# Altium PCB EASY-EAI-Nano-TB V1.01.PCBDOC (part 6 of 7)
Units mm, origin at the board's own origin, x right, y up, seen from the top; angles counter-clockwise.
Board outline 120 x 90 mm, 4 copper layers (Top Layer, GND, VCC, Bottom Layer); 667 components, 452 nets, 2251 pads, 1430 vias.
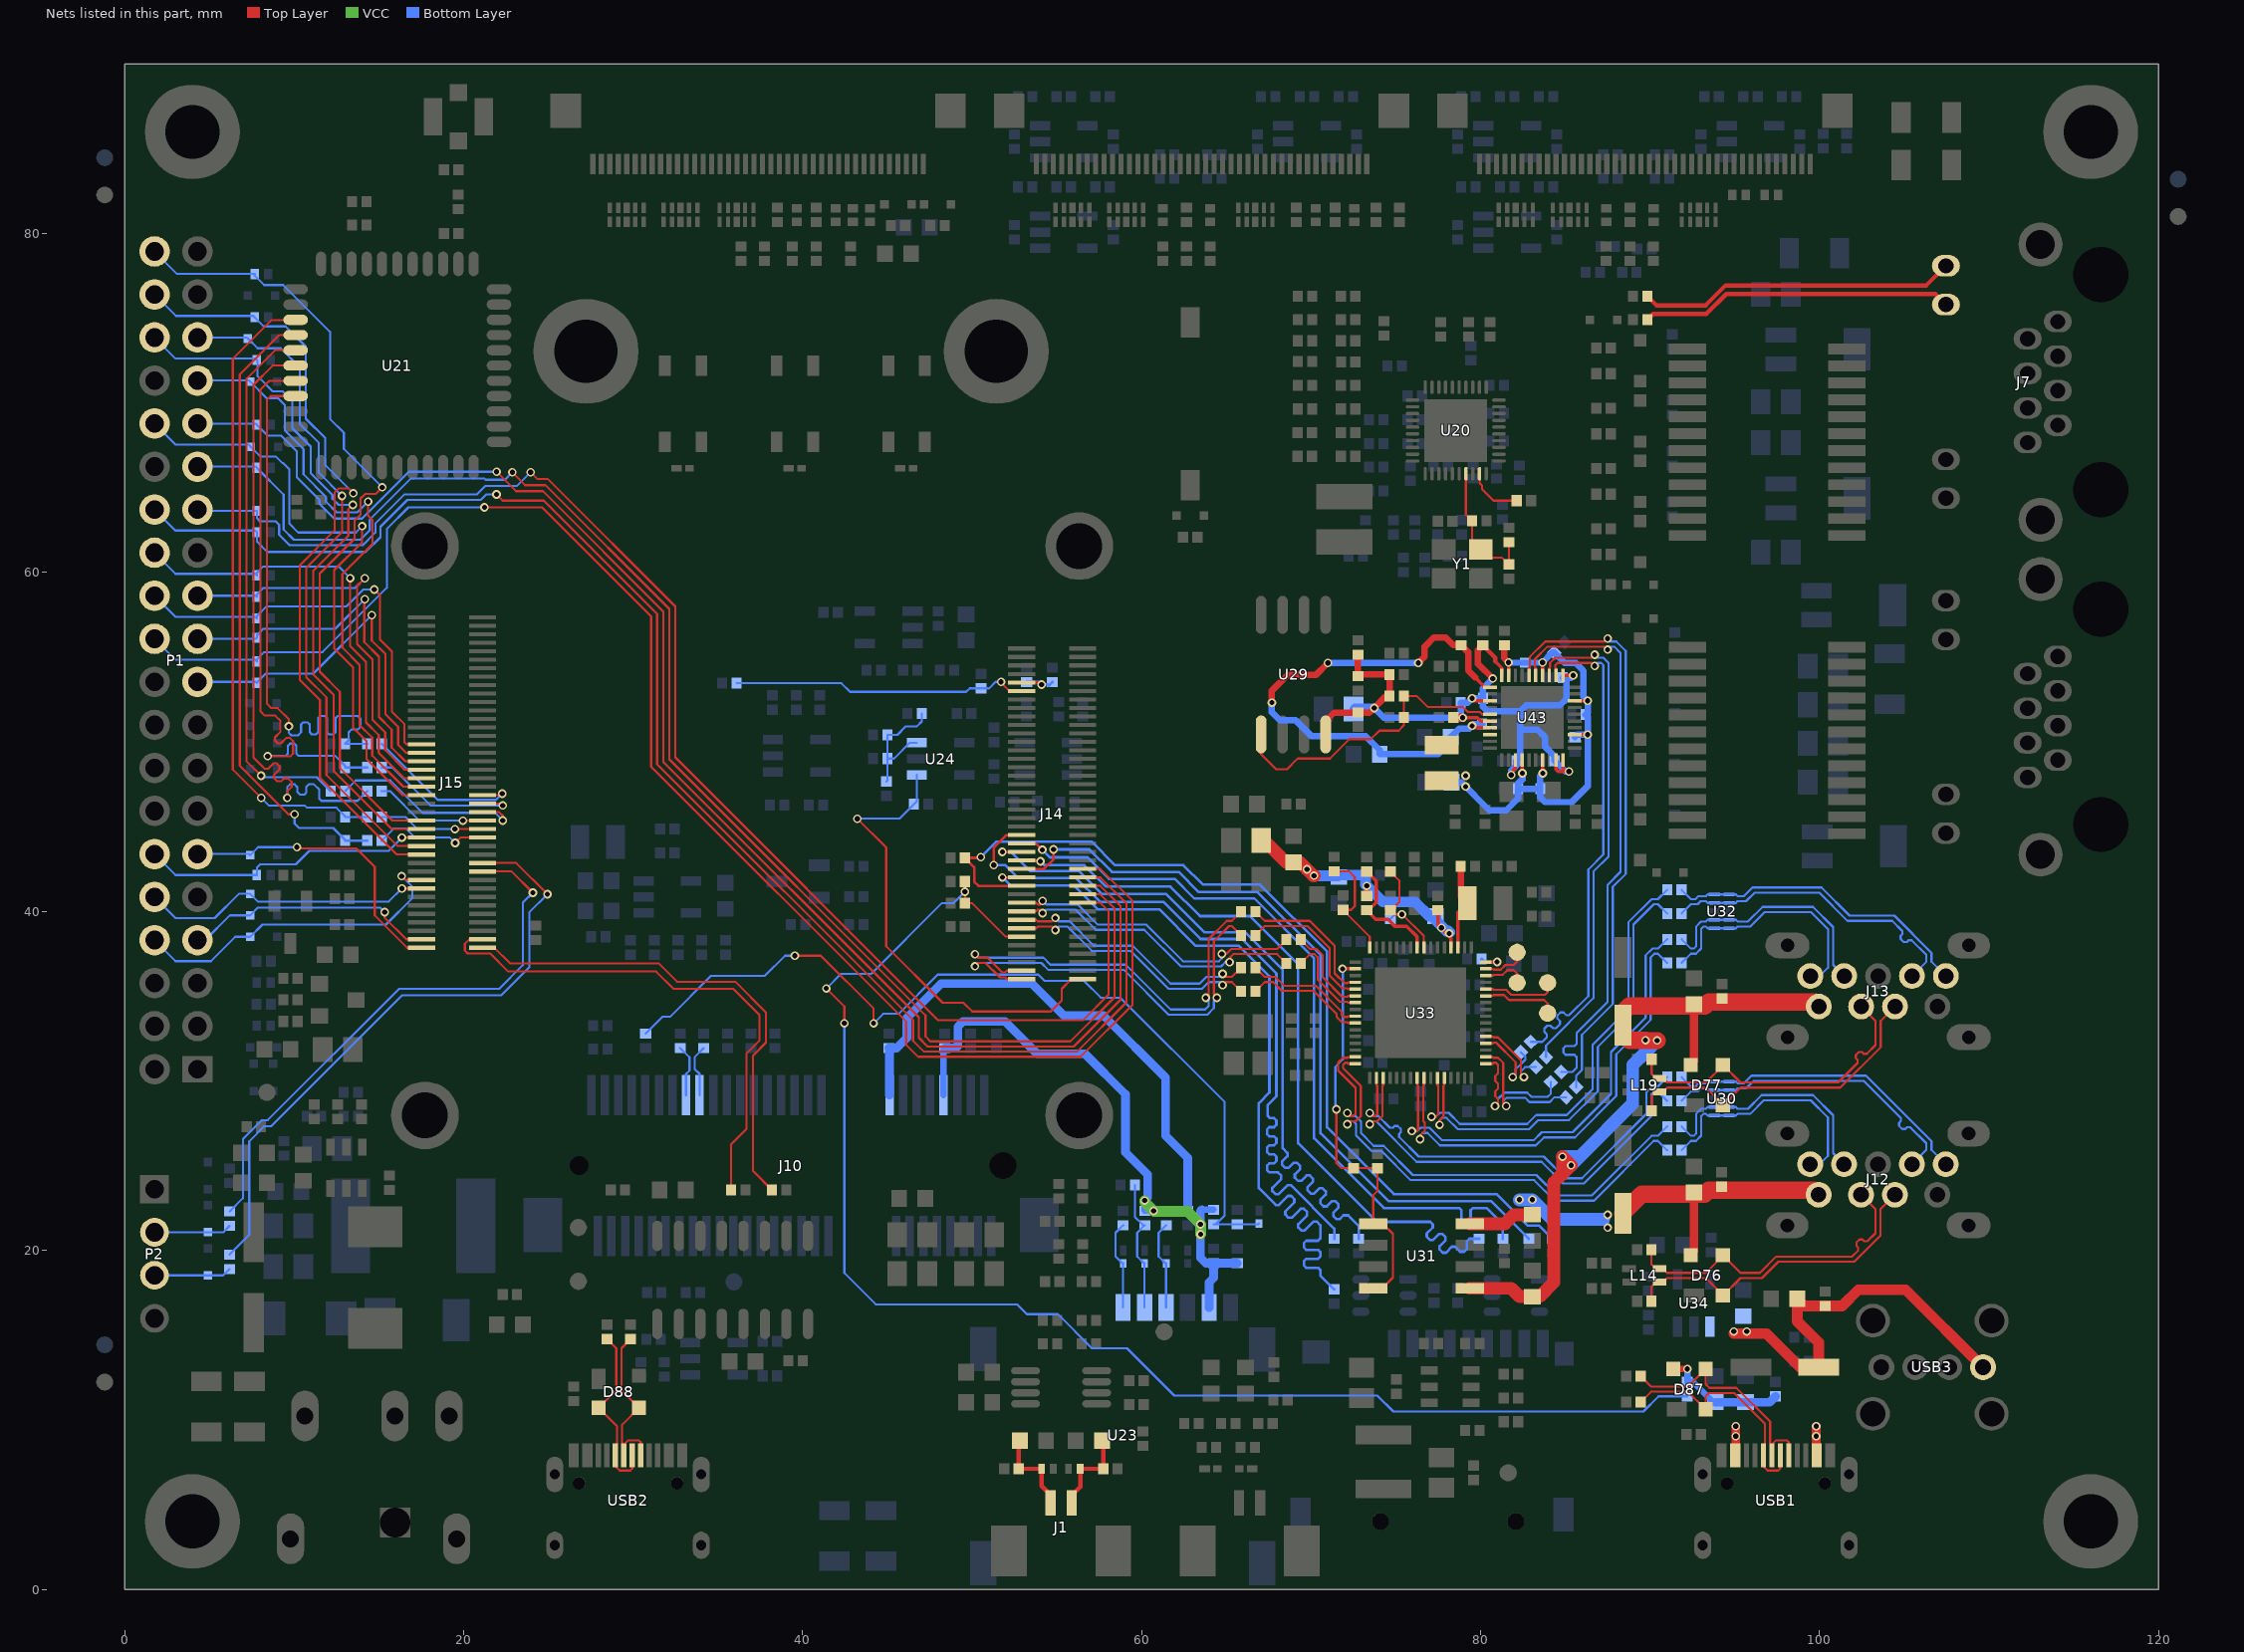
[diagram p8: the nets of this part, all layers, seen from the top]

## Via types
v1: diameter 0.508, hole 0.305, Top Layer to Bottom Layer, tented both sides, 1430 vias

## Nets (pads, with @x,y where several pads share a name; then routed paths per layer and width w, separated by ;. In a path a pad name is that pad's centre, name@x,y a point inside that pad or via, vN(x,y) a via of type N, cw(c..) or ccw(c..) an arc to the next point about the centre after c; other vN are vias at no path point) (continued)
PHY1_XTALOUT: C67.2 R48.2 R53.1 U20.37 Y1.3 | length 8.2
  Top Layer w0.127: U20.37@79.14,65.831 79.14,63.419 R48.2@79.512,63.047 79.512,61.866 Y1.3@80.021,61.357 80.49,60.888 81.261,60.888 C67.2@81.671,60.478 R53.1@81.671,61.787
PHY_3V3: C196.2 C197.2 C198.2 C217.2 C218.2 C219.2 C220.2 C226.1 R39.2 R41.2 R44.2 R162.2 R185.2 U29.8 U43.11 U43.20 U43.23 U43.26 U43.33 U43.39 U43.40 | length 48
  Top Layer w0.203: v1(78.953,51.435) 79.807,51.435 80.007,51.235 U43.26@80.559,51.235 ; v1(79.502,52.578) 79.645,52.435 U43.23@80.559,52.435 ; 80.874,54.762 81.258,54.378 U43.20@81.258,53.934 ; v1(81.813,48.057) 81.813,48.206 82.058,48.451 U43.33@82.058,48.936 ; U43.39@84.458,48.936 84.458,48.384 84.582,48.26 v1@84.988,48.26 ; U43.40@84.858,48.936 84.858,48.39 v1@84.988,48.26 ; U43.11@84.858,53.934 v1(85.471,53.934) ; v1(85.217,48.26) v1@84.988,48.26
  Top Layer w0.254: C196.2@80.137,55.709 80.874,54.972 80.874,54.762
  Top Layer w0.381: U29.8@70.866,50.445 70.866,51.255 71.344,51.733 C226.1@72.771,51.733 73.45,51.733 v1(73.727,52.01) 74.422,52.705 R44.2@74.632,52.705 R41.2@74.632,53.975 72.854,53.975 R162.2@72.771,53.892 R185.2@72.771,55.157 ; C196.2@80.137,55.709 79.848,55.42 79.848,54.619 v1(80.721,53.746)
  Top Layer w0.508: C197.2@78.403,51.435 v1(78.953,51.435)
  Bottom Layer w0.381: v1(73.727,52.01) 74.302,51.435 v1(78.953,51.435) 78.835,51.553 C219.2@78.835,52.324 79.248,52.324 v1(79.502,52.578) C217.2@80.144,52.578 ; v1(80.721,53.746) 80.144,53.169 C217.2@80.144,52.578 ; v1(81.813,48.057) 81.813,48.306 82.137,48.63 C218.2@82.137,48.895 82.347,49.105 82.347,50.724 ; v1(85.217,48.26) 85.007,48.26 C198.2@84.372,48.895 84.372,49.164 83.795,49.741 83.795,50.297 83.368,50.724 82.347,50.724 ; v1(85.471,53.934) 85.334,53.797 C220.2@84.855,53.797 85.065,53.587 85.065,52.541 84.695,52.172 82.705,52.172 82.347,51.813 ; C217.2@80.144,52.578 80.144,52.078 80.408,51.813 82.347,51.813 ; 82.347,50.724 82.347,51.813
  Bottom Layer w0.508: R39.2@72.518,51.943 72.585,52.01 v1(73.727,52.01)
PHY_5V: C239.2 C240.2 C241.2 L21.2 U43.21 U43.27 | length 33.2
  Top Layer w0.203: v1(79.502,50.952) 79.619,50.835 U43.27@80.559,50.835 ; 79.694,53.8 80.259,53.235 U43.21@80.559,53.235
  Top Layer w0.381: v1(67.691,52.324) 67.691,53.028 68.613,53.95 70.282,53.95 v1(70.993,54.661) ; v1(76.327,54.661) 76.708,55.042 76.708,55.626 77.257,56.175 77.937,56.175 78.403,55.709 C241.2@78.867,55.709 79.273,55.303 79.273,54.22 79.694,53.8
  Bottom Layer w0.381: v1(67.691,52.324) 67.691,51.76 68.177,51.274 69.1,51.274 70.041,50.333 73.238,50.333 74.049,49.522 L21.2@74.049,49.276 77.491,49.276 78.24,50.025 C239.2@78.24,50.292 78.748,50.8 79.35,50.8 v1(79.502,50.952) 79.604,51.054 C240.2@80.093,51.054 ; v1(70.993,54.661) v1(76.327,54.661)
PHY_REGOUT: L22.1 U43.28
PHY_VDD1V0: C221.2 C222.2 C223.2 C224.2 C225.2 C244.2 C245.2 C246.2 L22.2 U43.3 U43.8 U43.14 U43.19 U43.34 U43.37 | length 31.1
  Top Layer w0.203: U43.19@81.658,53.934 v1(81.658,54.698) ; U43.34@82.458,48.936 82.458,48.174 v1(82.474,48.158) ; U43.37@83.658,48.936 83.658,48.174 v1(83.674,48.158) ; U43.14@83.658,53.934 v1(83.658,54.698) ; U43.3@85.557,50.435 v1(86.321,50.435) ; U43.8@85.557,52.435 v1(86.321,52.435)
  Top Layer w0.381: C222.2@81.407,55.709 81.407,54.949 v1(81.658,54.698)
  Bottom Layer w0.381: C225.2@78.291,47.625 78.867,47.625 80.518,45.974 81.518,45.974 82.213,46.669 C244.2@82.213,47.244 ; v1@81.677,54.679 C221.2@82.652,54.679 83.639,54.679 v1(83.658,54.698) 84.234,55.275 C223.2@84.358,55.275 84.965,54.667 85.617,54.667 86.077,54.207 86.077,52.679 v1(86.321,52.435) 86.321,51.733 C246.2@86.201,51.613 ; v1(82.474,48.158) 82.474,47.803 82.213,47.542 C244.2@82.213,47.244 ; v1(83.674,48.158) 83.522,48.007 C224.2@83.522,47.244 ; C245.2@85.573,50.285 85.722,50.435 v1(86.321,50.435) ; C246.2@86.321,51.492 v1(86.321,50.435) ; C244.2@82.213,47.244 C224.2@83.522,47.244 ; C224.2@83.522,47.244 83.522,46.74 83.81,46.453 85.386,46.453 86.321,47.388 v1(86.321,50.435)
  other v1: 79.121,47.371 79.121,48.006
PLED: R201.2 R202.1 U33.32 | length 6.7
  Top Layer w0.127: R201.2@71.374,42.374 72.225,42.374 72.586,42.013 72.586,40.312 72.362,40.088 R202.1@71.882,40.088 73.464,38.506 U33.32@73.464,37.868
PMIC_PWRON: C206.2 J14.72 R208.1 | length 2.9
  Top Layer w0.152: J14.72@52.925,53.511 53.982,53.51 v1(54.102,53.391)
  Bottom Layer w0.152: R208.1@53.223,53.532 53.961,53.532 v1(54.102,53.391) 54.468,53.391 54.537,53.322 C206.2@54.747,53.532
PWM1_CH0_M1: D69.2 J15.38 P1.32 | length 36.2
  Top Layer w0.127: v1(14.019,62.739) 14.019,61.795 12.368,60.143 12.368,55.518 13.488,54.399 13.488,50.842 14.274,50.055 14.274,49.001 16.416,46.859 J15.38@17.524,46.859
  Bottom Layer w0.127: P1.32@1.77,68.79 3.014,67.546 7.321,67.546 D69.2@7.41,67.457 ; D69.2@7.448,67.419 8.032,66.835 8.937,66.835 9.303,66.469 9.344,66.469 9.729,66.083 9.729,62.881 10.246,62.364 13.645,62.364 v1(14.019,62.739)
PWM1_CH1_M1: D70.2 J15.40 P1.33 | length 35.7
  Top Layer w0.127: v1(14.37,64.187) 14.37,63.361 14.629,63.102 14.629,61.69 12.852,59.913 12.852,55.573 13.869,54.556 13.869,51 14.615,50.254 14.615,49.199 16.455,47.359 J15.40@17.524,47.359
  Bottom Layer w0.127: P1.33@4.31,71.33 7.347,71.33 D70.2@7.41,71.267 8.394,70.283 9.062,70.283 9.454,69.891 9.454,68.394 10.56,67.288 10.56,65.791 11.884,64.467 11.884,64.184 12.516,63.551 13.734,63.551 v1(14.37,64.187)
PWRENJ: R174.2 R175.2 U31.1 U31.4 U33.34 | length 23.8
  Top Layer w0.127: v1(71.501,28.321) 71.501,25.146 71.799,24.848 R175.2@72.517,24.848 R174.2@73.914,24.848 73.914,23.495 73.67,23.251 U31.1@73.67,21.572 74.236,21.572 74.828,20.979 74.828,18.392 74.199,17.762 U31.4@73.67,17.762
  Top Layer w0.203: v1(71.857,36.618) U33.34@72.614,36.618
  Bottom Layer w0.127: v1(71.501,28.321) 71.438,28.384 71.438,30.828 71.882,31.273 71.882,36.593 v1(71.857,36.618)
RECOVERY: C204.2 J14.70 R206.1 | length 17.5
  Top Layer w0.127: v1(51.717,53.549) 51.717,53.489 52.195,53.01 J14.70@52.925,53.01
  Bottom Layer w0.127: R206.1@36.112,53.467 42.3,53.467 42.808,52.959 49.657,52.959 49.867,53.169 C204.2@50.546,53.169 51.01,53.169 51.39,53.549 v1(51.717,53.549)
RESET: C120.2 J14.1 U24.1 | length 28.1
  Top Layer w0.127: v1(43.234,45.473) 44.933,43.775 44.933,37.952 48.267,34.617 49.498,34.617 50.015,34.099 54.648,34.099 55.298,34.75 55.298,35.433 55.876,36.01 J14.1@56.524,36.01
  Bottom Layer w0.127: v1(43.234,45.473) 45.711,45.473 C120.2@46.575,46.337 46.743,46.505 U24.1@46.743,48.056
RESETJ: C201.2 R196.1 R200.2 U33.24 | length 6.8
  Top Layer w0.127: C201.2@74.686,40.07 74.941,39.815 74.953,39.827 v1(75.362,39.827) 75.381,39.827 76.664,38.544 U33.24@76.664,37.868 ; R200.2@74.686,42.356 75.209,41.833 75.209,40.549 C201.2@74.73,40.07
  Bottom Layer w0.127: R196.1@74.686,39.562 74.939,39.815 75.35,39.815 v1(75.362,39.827)
RGMII1_YE+: J7.11 R61.2 | length 18.5
  Top Layer w0.254: R61.2@89.843,74.912 90.19,75.259 93.321,75.259 94.498,76.436 106.835,76.436 J7.11@107.46,75.811
RGMII1_YE-: J7.12 R59.2 | length 18.8
  Top Layer w0.254: R59.2@89.843,76.309 90.383,75.769 93.293,75.769 94.467,76.944 106.303,76.944 J7.12@107.46,78.101
RSET1: R64.2 U20.39 | length 3.3
  Top Layer w0.127: U20.39@79.94,65.831 79.94,65.284 80.083,65.141 80.083,64.933 80.772,64.244 R64.2@82.135,64.244
RST_KEY: C123.1 C203.2 R134.1 R204.1 U24.3 | length 7.7
  Bottom Layer w0.127: R134.1@44.958,47.669 45.002,47.713 C203.2@45.002,49.022 ; U24.3@46.743,49.956 46.331,49.956 45.397,49.022 C203.2@45.002,49.022 ; R204.1@47.034,51.689 47.034,51.208 46.754,50.928 46.102,50.928 45.593,50.419 C123.1@45.002,50.419 C203.2@45.002,49.022
RTERM: R197.1 U33.16 | length 1.7
  Top Layer w0.203: U33.16@80.314,37.018 v1(80.98,37.018)
  Bottom Layer w0.203: R197.1@80.064,37.193 80.239,37.018 v1(80.98,37.018)
RX_D1_N: R161.1 U33.50 | length 25.6
  Top Layer w0.13: v1(73.464,28.1) 73.642,27.922 73.785,27.922 73.912,28.049 73.912,29.705 73.864,29.753 U33.50@73.864,30.168
  Bottom Layer w0.13: v1(73.464,28.1) 73.642,27.922 73.966,27.922 74.652,27.236 74.833,27.236 74.937,27.34 75.117,27.34 75.298,27.159 75.298,26.979 75.194,26.875 75.194,26.694 76.355,25.533 83.737,25.533 85.013,24.257 85.979,24.257 89.786,28.064 89.786,29.344 90.121,29.68 90.469,29.68 R161.1@91.015,30.226
RX_D1_P: R163.1 U33.51 | length 25.6
  Top Layer w0.13: v1(73.464,27.439) 73.642,27.617 73.911,27.617 74.217,27.923 74.217,29.705 74.264,29.753 U33.51@74.264,30.168
  Bottom Layer w0.13: v1(73.464,27.439) 73.642,27.617 73.84,27.617 76.229,25.228 83.611,25.228 84.887,23.952 86.105,23.952 90.091,27.938 90.091,29.218 90.248,29.375 90.469,29.375 R163.1@91.015,28.829
RX_D2_N: R176.1 U33.59 | length 26.9
  Top Layer w0.13: v1@77.346,27.862 77.512,28.027 77.512,29.705 77.464,29.753 U33.59@77.464,30.168
  Bottom Layer w0.13: v1@77.131,27.862 77.346,27.862 77.606,28.122 78.124,28.122 78.783,27.462 82.757,27.462 83.286,27.991 85.091,27.991 86.495,29.395 86.614,29.514 86.614,32.131 88.722,34.239 88.722,39.349 90.102,40.729 90.469,40.729 R176.1@91.015,41.275
  other v1: 77.106,27.887
RX_D2_P: R177.1 U33.60 | length 26.9
  Top Layer w0.13: v1@77.562,27.646 77.816,27.901 77.816,29.705 77.864,29.753 U33.60@77.864,30.168
  Bottom Layer w0.13: v1@77.562,27.431 77.562,27.646 77.732,27.817 77.998,27.817 78.657,27.158 82.884,27.158 83.412,27.686 85.217,27.686 86.919,29.388 86.919,32.005 89.027,34.113 89.027,39.223 90.228,40.424 90.469,40.424 R177.1@91.015,39.878
  other v1: 77.587,27.405
RX_D3_N: C194.1 U33.4 | length 5.1
  Top Layer w0.13: U33.4@80.314,32.218 80.729,32.218 80.776,32.266 80.909,32.266 82.081,31.094 82.081,30.403 v1(81.903,30.225)
  Bottom Layer w0.13: v1(81.903,30.225) 82.081,30.403 82.081,30.695 82.65,31.264 82.65,31.43 C194.1@82.376,31.703
RX_D3_P: C195.1 U33.5 | length 5.1
  Top Layer w0.13: U33.5@80.314,32.618 80.729,32.618 80.776,32.57 81.035,32.57 82.386,31.22 82.386,30.403 v1(82.563,30.225)
  Bottom Layer w0.13: v1(82.563,30.225) 82.386,30.403 82.386,30.569 82.631,30.814 C195.1@83.265,30.814
RX_D4_N: T9.1 U33.14 | length 2.6
  Top Layer w0.13: U33.14@80.314,36.218 80.729,36.218 80.776,36.266 81.319,36.266 81.595,36.542 81.951,36.542 82.161,36.332 T9.1@82.161,35.796
RX_D4_P: T10.1 U33.15 | length 2.6
  Top Layer w0.13: U33.15@80.314,36.618 80.729,36.618 80.776,36.57 81.193,36.57 81.469,36.846 81.951,36.846 82.161,37.056 T10.1@82.161,37.592
RX_N: C163.1 U33.41 | length 7.2
  Top Layer w0.13: C163.1@66.729,36.685 67.275,36.139 67.89,36.139 68.41,35.618 70.273,35.618 71.816,34.076 71.816,33.895 71.941,33.77 72.151,33.77 72.199,33.818 U33.41@72.614,33.818
RX_P: C162.1 U33.42 | length 7.2
  Top Layer w0.13: C162.1@66.729,35.288 67.275,35.834 67.763,35.834 68.284,35.313 70.147,35.313 71.511,33.949 71.511,33.769 71.814,33.466 72.151,33.466 72.199,33.418 U33.42@72.614,33.418
SAI1_LRCK_M2: D71.2 J15.26 P1.35 | length 40.6
  Top Layer w0.127: v1(12.832,64.526) 12.832,62.381 10.72,60.269 10.72,53.822 11.914,52.629 11.914,48.052 16.106,43.86 J15.26@17.524,43.859
  Bottom Layer w0.127: P1.35@4.31,73.87 7.22,73.87 D71.2@7.283,73.807 7.854,73.236 9.213,73.236 10.345,72.103 10.345,68.768 11.465,67.648 11.465,65.892 v1(12.832,64.526)
SAI1_MCLK_M2: D72.1 J15.30 P1.36 | length 42.1
  Top Layer w0.127: v1(13.467,63.996) 13.209,63.738 13.209,62.171 11.135,60.097 11.135,53.994 12.329,52.801 12.329,48.302 15.771,44.859 J15.30@17.524,44.859
  Bottom Layer w0.127: P1.36@1.77,73.87 3.014,72.626 7.721,72.626 D72.1@7.81,72.537 7.851,72.497 7.851,71.587 8.742,70.696 9.334,70.696 9.904,70.125 9.904,68.514 10.99,67.428 10.99,65.857 12.266,64.582 12.266,64.362 12.631,63.996 v1(13.467,63.996)
SAI1_SCLK_M2: D54.1 J15.28 P1.12 | length 17.4
  Top Layer w0.127: v1(16.364,44.359) J15.28@17.524,44.359
  Bottom Layer w0.127: P1.12@1.77,43.39 3.014,42.146 D54.1@7.81,42.146 7.81,42.58 8.011,42.781 10.109,42.781 10.899,43.572 15.576,43.572 v1(16.364,44.359)
SAI1_SDI_M2: D74.1 J15.24 P1.38 | length 47.4
  Top Layer w0.127: v1(13.497,64.676) 13.203,64.97 12.648,64.97 12.388,64.71 12.388,62.475 10.339,60.427 10.339,53.664 11.533,52.471 11.533,47.894 16.067,43.36 J15.24@17.524,43.36
  Bottom Layer w0.127: P1.38@1.77,76.41 3.036,75.145 7.616,75.145 D74.1@7.683,75.077 7.683,75.058 8.21,74.531 9.498,74.531 10.693,73.336 10.693,69.081 11.846,67.927 11.846,66.327 v1(13.497,64.676)
SAI1_SDO_M2: D75.1 J15.32 P1.40 | length 47.9
  Top Layer w0.127: v1(15.201,65.031) 14.802,64.632 14.186,64.632 13.925,64.371 13.925,63.427 13.575,63.076 13.575,61.998 11.516,59.939 11.516,54.152 12.71,52.958 12.71,48.459 15.81,45.359 J15.32@17.524,45.359
  Bottom Layer w0.127: P1.40@1.77,78.95 3.103,77.617 D75.1@7.683,77.617 7.683,77.526 8.24,76.969 9.357,76.969 12.126,74.201 12.126,69.07 12.939,68.257 12.939,67.294 v1(15.201,65.031)
SD_CLK: R105.2 U21.17 | length 37.4
  Top Layer w0.127: 7.603,71.075 8.742,72.214 U21.17@10.095,72.214 ; 7.611,71.068 7.611,49.081 8.184,48.508 8.277,48.416 8.456,48.416 8.789,48.748 8.969,48.748 9.148,48.569 9.148,48.389 8.815,48.056 8.815,47.877 9.014,47.678 9.23,47.678 9.4,47.848 9.652,47.848 9.855,47.646 9.855,47.352 9.598,47.095 v1(9.598,46.701)
  Bottom Layer w0.127: v1(9.598,46.701) 9.598,47.343 9.758,47.504 10.031,47.504 10.195,47.339 10.195,47.051 10.351,46.896 10.602,46.896 10.729,47.023 10.729,47.362 10.87,47.504 11.173,47.504 11.484,47.192 11.484,46.661 11.621,46.524 13.744,46.524 R105.2@14.319,47.099
SD_CMD: R103.2 U21.16 | length 31.9
  Top Layer w0.127: v1(8.054,48.007) 7.204,48.856 7.204,71.438 8.887,73.121 10.088,73.121 U21.16@10.095,73.114
  Bottom Layer w0.127: v1(8.054,48.007) 8.138,47.923 11.336,47.923 R103.2@12.16,47.099
SD_D0: R104.2 R106.2 U21.18 | length 35
  Top Layer w0.127: v1(8.442,49.161) 9.794,49.161 9.941,49.309 9.941,50.048 9.739,50.25 9.559,50.25 9.227,49.918 9.047,49.918 8.867,50.097 8.867,50.277 9.2,50.61 9.2,51.242 8.885,51.557 8.27,51.557 8.017,51.81 8.017,70.802 8.529,71.314 U21.18@10.095,71.314
  Bottom Layer w0.127: v1(8.442,49.161) 8.46,49.18 9.506,49.18 9.633,49.307 9.633,49.775 9.76,49.902 10.014,49.902 10.141,49.775 10.141,49.307 10.268,49.18 12.432,49.18 13.01,48.602 R104.2@13.01,48.496 R106.2@14.319,48.496
SD_D1: R107.2 R108.2 U21.19 | length 33.9
  Top Layer w0.127: v1(9.696,50.928) 9.696,51.341 9.04,51.998 8.663,51.998 8.407,52.253 8.407,70.202 8.619,70.414 U21.19@10.095,70.414
  Bottom Layer w0.127: v1(9.696,50.928) 9.687,50.919 9.687,50.551 9.845,50.393 10.229,50.393 10.415,50.579 10.415,51.036 10.542,51.163 10.796,51.163 10.923,51.036 10.923,50.579 11.05,50.452 11.304,50.452 11.431,50.579 11.431,51.417 11.558,51.544 11.812,51.544 11.939,51.417 11.939,50.579 12.066,50.452 12.329,50.452 12.456,50.579 12.456,51.42 12.58,51.544 13.746,51.544 13.908,51.382 13.908,50.886 13.757,50.735 13.389,50.735 13.218,50.564 13.218,50.101 R108.2@13.01,49.893 R107.2@14.319,49.893
SD_D2: R101.2 R109.2 U21.14 | length 38
  Top Layer w0.127: v1(8.065,46.701) 6.392,48.375 6.392,72.62 8.671,74.899 10.08,74.899 U21.14@10.095,74.914
  Bottom Layer w0.127: v1(8.065,46.701) 8.51,46.257 10.623,46.257 10.759,46.121 12.508,46.121 13.01,45.619 R109.2@13.01,45.575 R101.2@14.319,45.575
SD_D3: R102.2 R110.2 U21.15 | length 37
  Top Layer w0.127: v1(10.027,45.731) 9.665,45.731 6.798,48.597 6.798,71.695 9.117,74.014 U21.15@10.095,74.014
  Bottom Layer w0.127: v1(10.027,45.731) 10.027,45.192 10.299,44.921 12.312,44.921 13.01,44.222 R110.2@13.01,44.178 R102.2@14.319,44.178
SDIO_CLK: J15.31 R105.1 | length 6.7
  Top Layer w0.127: v1(19.964,45.359) J15.31@21.124,45.359
  Bottom Layer w0.127: R105.1@15.169,47.099 15.665,47.099 17.404,45.359 v1(19.964,45.359)
SDIO_CMD: J15.33 R103.1 | length 12.1
  Top Layer w0.127: J15.33@21.124,45.859 22.102,45.859 22.327,45.635 22.327,45.364 v1(22.314,45.364)
  Bottom Layer w0.127: R103.1@13.01,47.099 13.645,47.734 15.677,47.734 17.589,45.822 21.869,45.822 22.32,45.371 v1(22.314,45.364)
SDIO_D0: J15.35 R106.1 | length 9.3
  Top Layer w0.127: J15.35@21.124,46.359 22.221,46.359 22.32,46.26 v1(22.314,46.253)
  Bottom Layer w0.127: R106.1@15.169,48.496 15.808,48.496 18.051,46.253 v1(22.314,46.253)
SDIO_D1: J15.37 R107.1 | length 9.8
  Top Layer w0.127: J15.37@21.124,46.859 22.189,46.859 v1(22.285,46.955)
  Bottom Layer w0.127: R107.1@15.169,49.893 18.478,46.584 21.913,46.584 v1(22.285,46.955)
SDIO_D2: J15.29 R101.1 | length 6.3
  Top Layer w0.127: v1@19.498,44.794 19.563,44.859 J15.29@21.124,44.859
  Bottom Layer w0.127: R101.1@15.169,45.575 16.578,45.575 17.294,44.859 v1(19.498,44.859)
SDIO_D3: J15.27 R102.1 | length 6.7
  Top Layer w0.127: v1(19.507,44.044) 19.823,44.359 J15.27@21.124,44.359
  Bottom Layer w0.127: R102.1@15.169,44.178 15.878,44.887 16.616,44.887 17.144,44.359 19.191,44.359 v1(19.507,44.044)
SDMMC0_CLK: J14.30 R95.1 | length 45.8
  Top Layer w0.152: J14.30@52.925,43.01 53.984,43.01 v1(54.036,42.959)
  Bottom Layer w0.152: v1(54.036,42.959) 54.26,42.735 56.627,42.735 57.899,41.463 61.713,41.463 63.45,39.726 66.398,39.726 69.246,36.878 69.246,26.319 73.879,21.686 77.03,21.686 77.181,21.535 77.181,21.347 76.831,20.996 76.831,20.808 77.019,20.619 77.208,20.619 77.558,20.969 77.747,20.969 77.935,20.781 77.935,20.592 77.585,20.242 77.585,20.053 77.774,19.865 77.962,19.865 78.313,20.215 78.501,20.215 78.795,19.921 79.035,19.921 79.196,20.081 79.196,20.53 79.35,20.684 R95.1@79.925,20.684
SDMMC0_CMD: J14.32 R94.1 | length 43.7
  Top Layer w0.152: v1(51.792,43.51) J14.32@52.925,43.511
  Bottom Layer w0.152: v1(51.792,43.51) 52.302,43.51 53.427,42.386 56.298,42.386 57.663,41.021 61.46,41.021 63.701,38.78 66.093,38.78 68.326,36.547 68.326,26.022 68.607,25.741 68.607,25.552 68.293,25.238 68.293,25.049 68.481,24.861 68.67,24.861 68.984,25.175 69.173,25.175 69.361,24.986 69.361,24.798 69.047,24.483 69.047,24.295 69.236,24.106 69.424,24.106 69.738,24.421 69.927,24.421 70.116,24.232 70.116,24.043 69.801,23.729 69.801,23.541 69.99,23.352 70.179,23.352 70.493,23.666 70.681,23.666 70.87,23.478 70.87,23.289 70.556,22.975 70.556,22.786 70.744,22.598 70.933,22.598 71.247,22.912 71.436,22.912 71.624,22.723 71.624,22.535 71.31,22.22 71.31,22.032 71.499,21.843 71.687,21.843 71.909,22.065 72.194,22.065 72.813,21.446 R94.1@72.813,20.684
SDMMC0_D0: J14.34 R96.1 | length 46.1
  Top Layer w0.152: J14.34@52.925,44.01 53.778,44.01 v1(54.151,43.637)
  Bottom Layer w0.152: v1(54.151,43.637) 54.597,43.191 56.81,43.191 58.082,41.92 61.966,41.92 63.119,40.767 66.654,40.767 70.18,37.241 70.18,26.617 74.294,22.504 78.75,22.504 78.883,22.371 78.883,21.824 79.017,21.691 79.283,21.691 79.417,21.824 79.417,22.371 79.55,22.504 80.343,22.504 81.322,21.525 R96.1@81.322,20.684
SDMMC0_D1: J14.28 R97.1 | length 46.4
  Top Layer w0.152: J14.28@52.925,42.511 52.933,42.502 54.236,42.502 54.813,43.078 v1(54.813,43.663)
  Bottom Layer w0.152: v1(54.813,43.663) 56.913,43.663 58.25,42.326 62.195,42.326 63.373,41.148 66.848,41.148 70.569,37.426 70.569,26.912 74.571,22.91 80.62,22.91 R97.1@82.846,20.684
SDMMC0_D2: J14.26 R92.1 | length 47.8
  Top Layer w0.152: v1(51.792,42.01) J14.26@52.925,42.01
  Bottom Layer w0.152: v1(51.792,42.01) 52.266,41.536 55.999,41.536 57.403,40.132 61.045,40.132 63.204,37.973 65.751,37.973 67.548,36.175 67.548,29.316 66.919,28.687 66.919,23.681 67.921,22.68 68.109,22.68 68.639,23.21 68.828,23.21 69.016,23.021 69.016,22.833 68.487,22.303 68.487,22.114 68.675,21.926 68.864,21.926 69.394,22.455 69.582,22.455 69.771,22.267 69.771,22.078 69.241,21.548 69.241,21.36 69.429,21.171 69.618,21.171 70.148,21.701 70.336,21.701 70.553,21.484 70.553,20.702 70.42,20.569 69.721,20.569 69.588,20.435 69.588,20.169 69.721,20.035 70.42,20.035 70.553,19.902 70.553,19.635 70.42,19.502 69.721,19.502 69.588,19.368 69.588,19.102 69.721,18.968 70.42,18.968 70.553,18.835 70.553,18.518 R92.1@71.374,17.697
SDMMC0_D3: J14.36 R93.1 | length 44.2
  Top Layer w0.152: v1(51.286,42.733) 51.286,43.772 52.024,44.51 J14.36@52.925,44.511
  Bottom Layer w0.152: v1(51.286,42.733) 51.96,42.733 52.713,41.98 56.13,41.98 57.546,40.563 61.291,40.563 63.48,38.374 65.924,38.374 67.955,36.343 67.955,29.089 67.449,28.583 67.449,27.934 67.583,27.801 67.824,27.801 67.957,27.668 67.957,27.401 67.824,27.268 67.537,27.268 67.403,27.134 67.403,26.868 67.537,26.734 67.824,26.734 67.957,26.601 67.957,26.334 67.824,26.201 67.537,26.201 67.403,26.068 67.403,25.801 67.537,25.667 67.824,25.667 67.957,25.534 67.957,25.267 67.824,25.134 67.537,25.134 67.403,25.001 67.403,24.734 67.537,24.601 68.058,24.601 68.246,24.412 68.246,24.224 67.717,23.694 67.717,23.505 67.905,23.316 68.094,23.316 68.624,23.846 68.812,23.846 71.374,21.284 R93.1@71.374,20.684